# Altium PCB PreRegulator.PcbDoc (part 1 of 2)
Units mm, origin at the board's own origin, x right, y up, seen from the top; angles counter-clockwise.
Board outline 44 x 85 mm, 6 copper layers (L1, L2, L3, L4, L5, L6), stack 2.138 mm thick; 110 components, 62 nets, 301 pads, 342 vias.
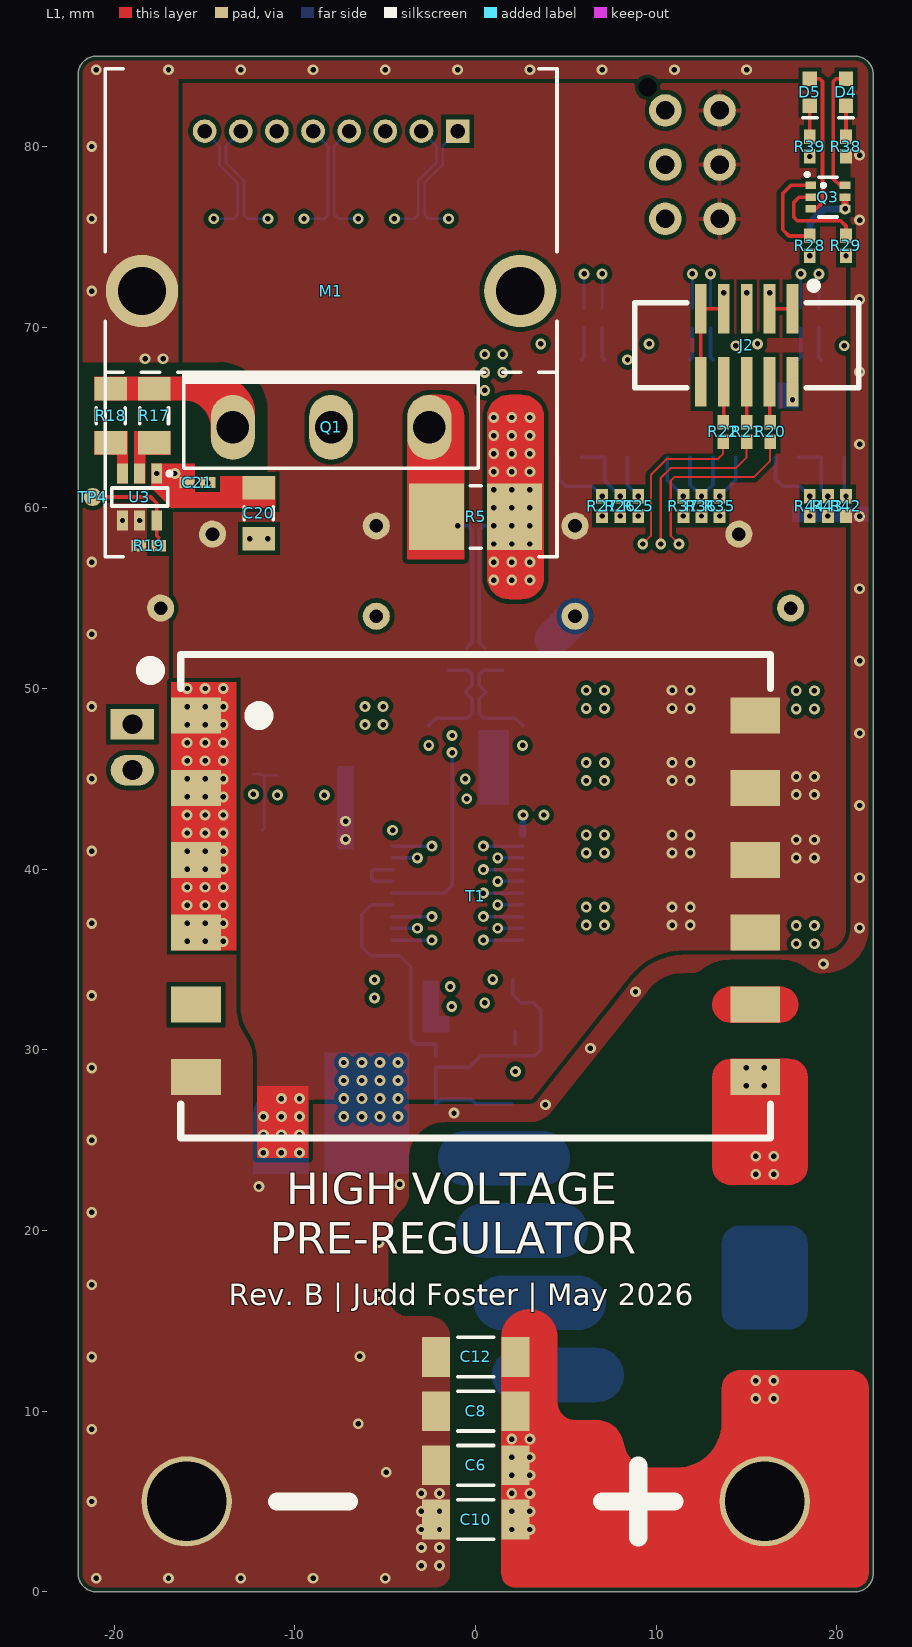
[diagram p0: L1 view]
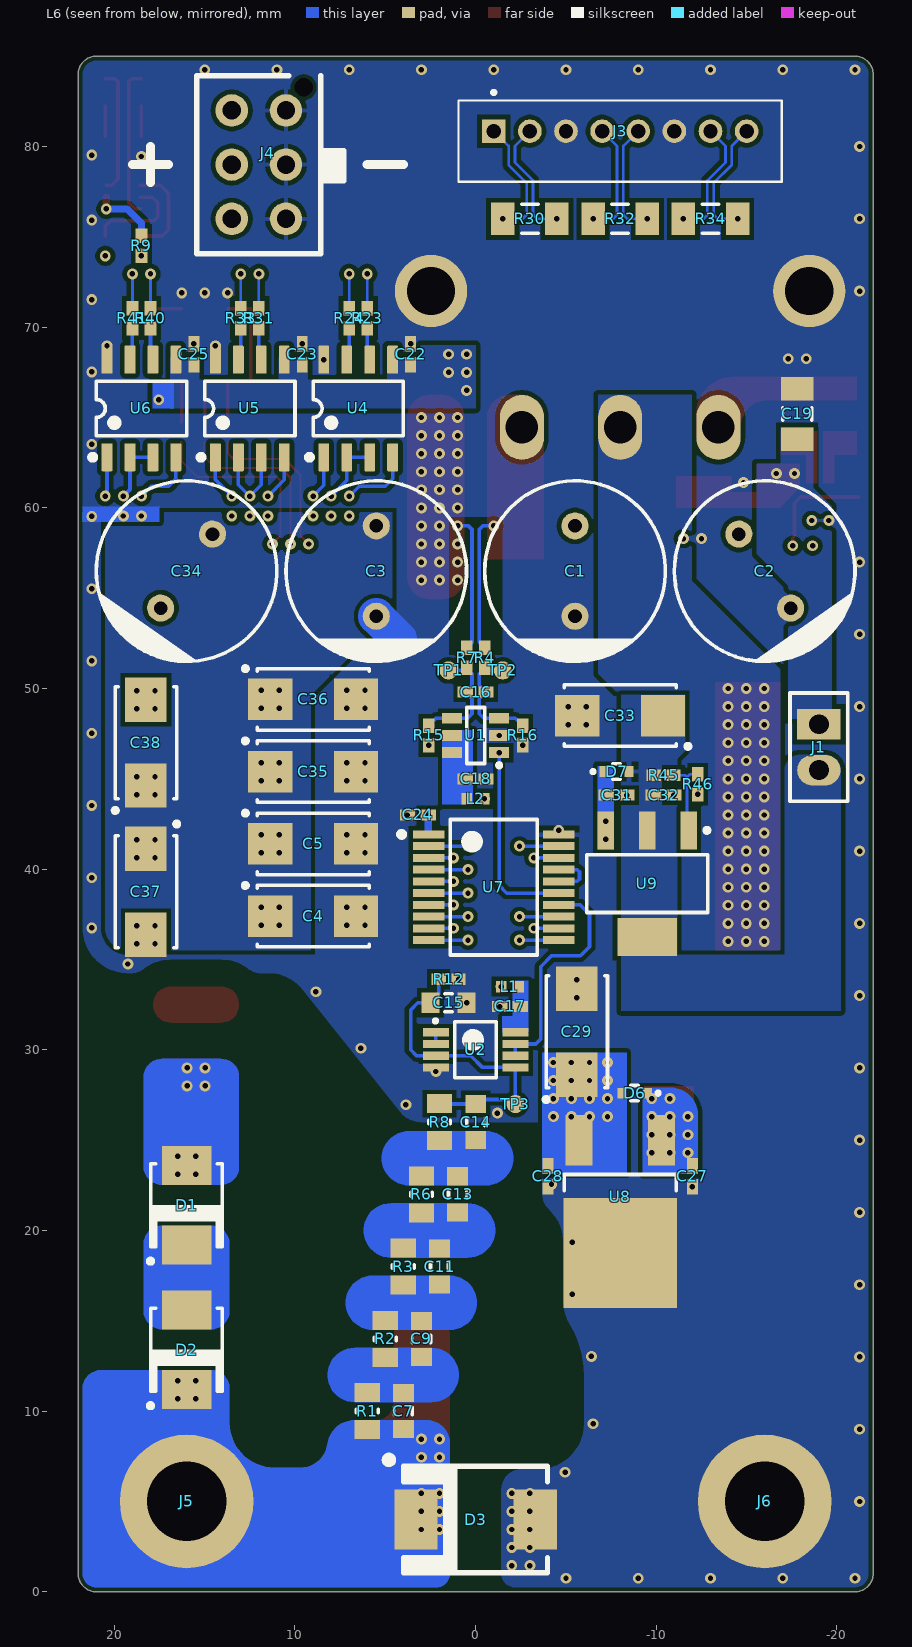
[diagram p1: L6 view, seen from below]
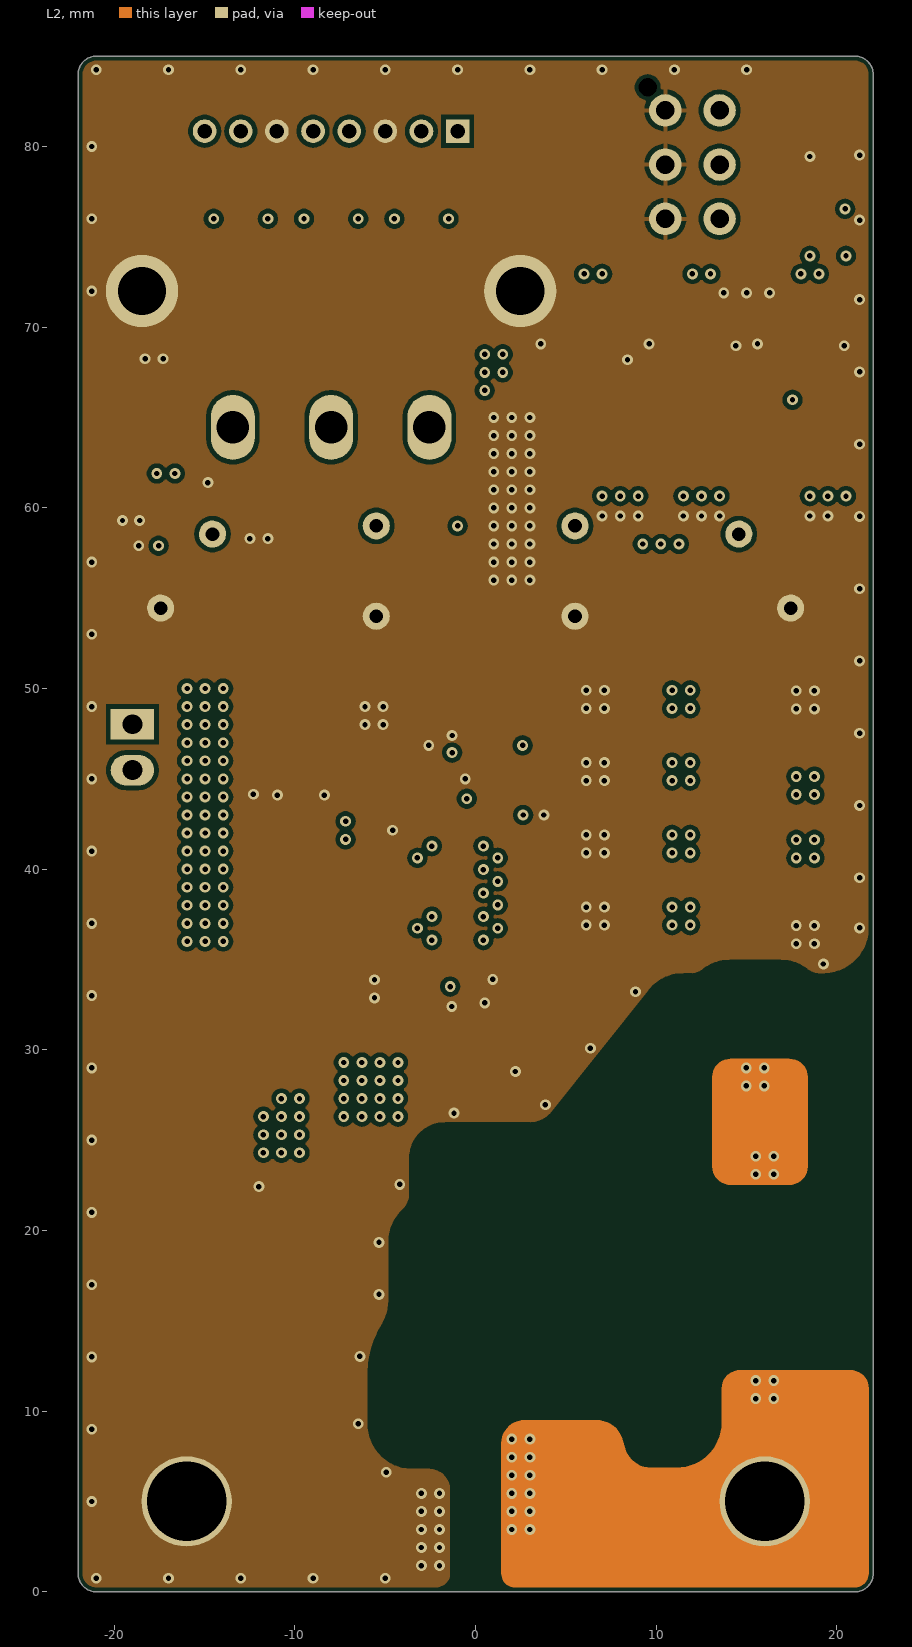
[diagram p2: L2]
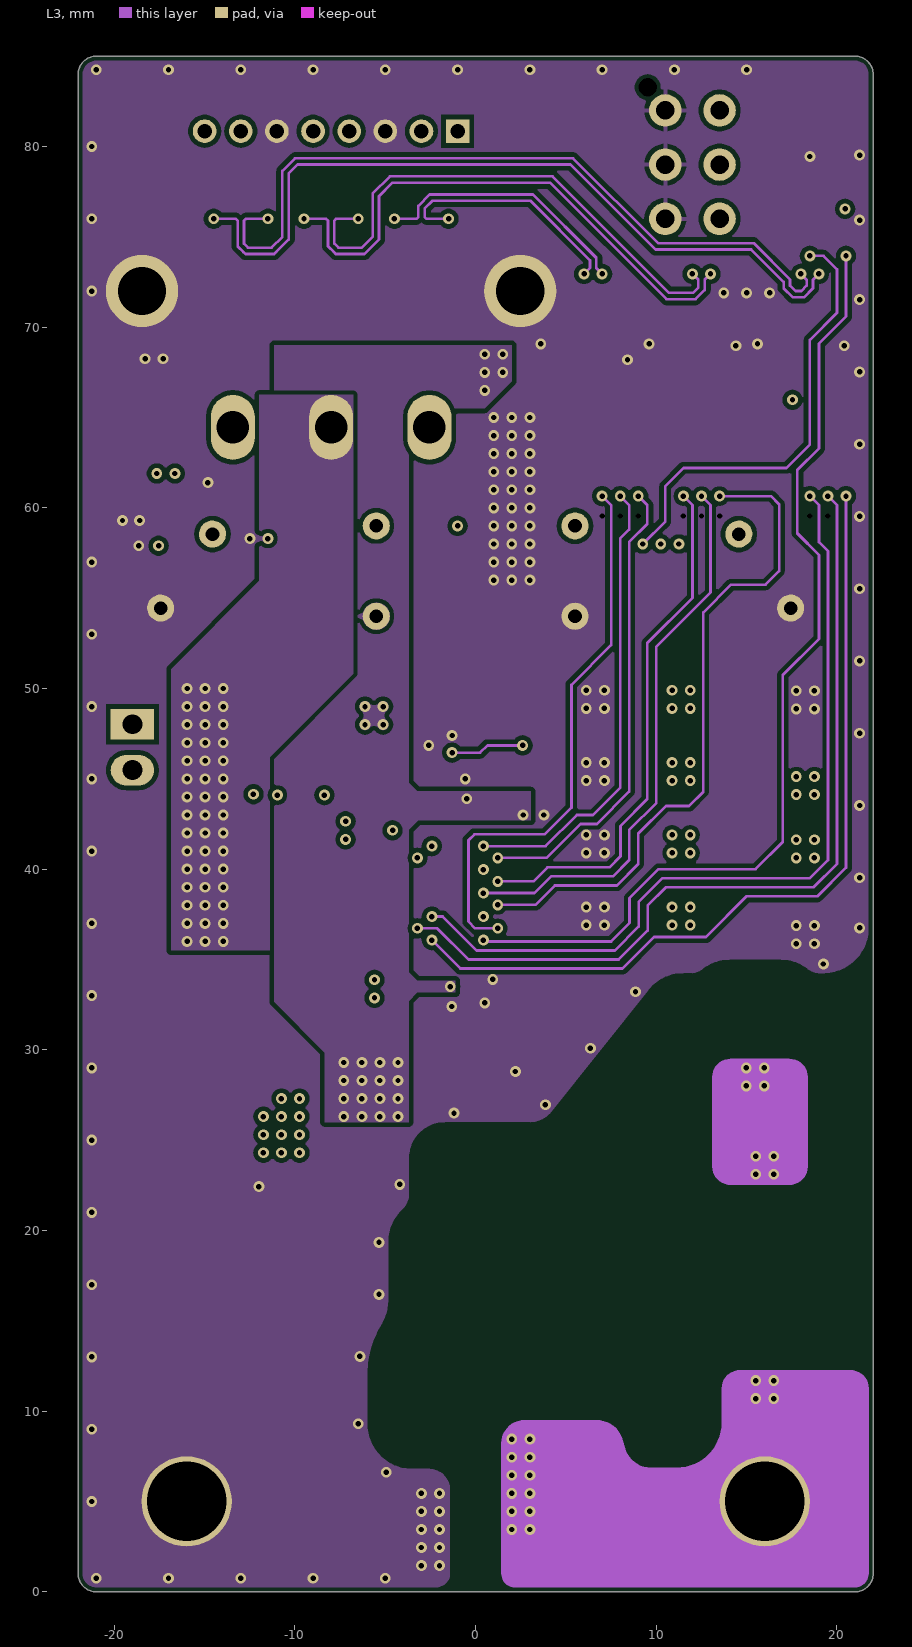
[diagram p3: L3]
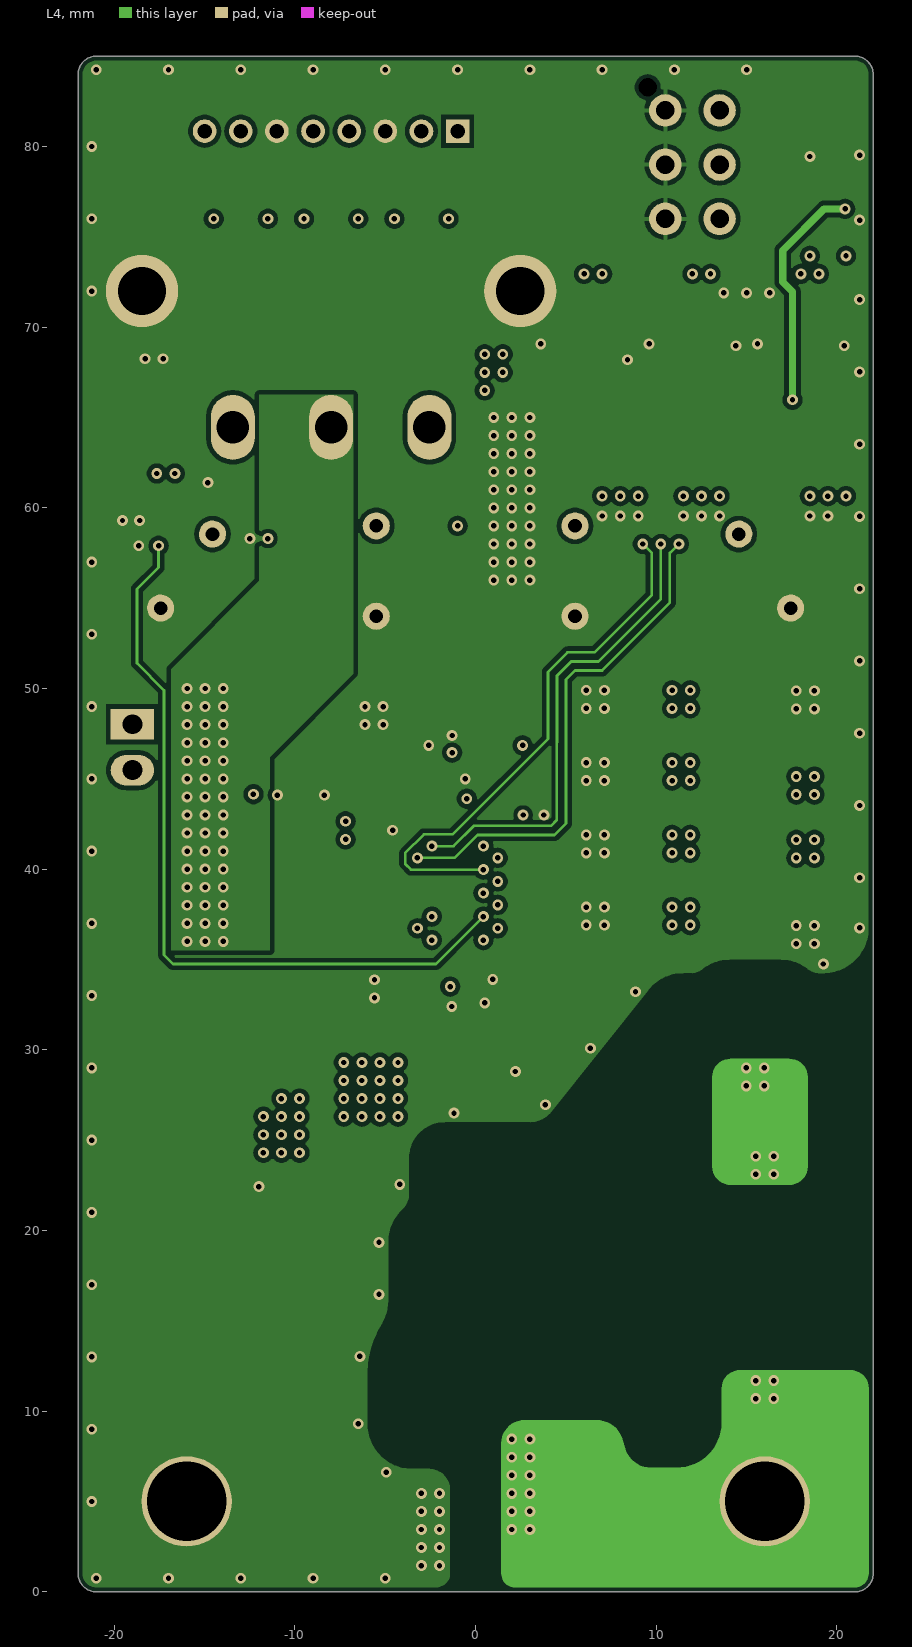
[diagram p4: L4]
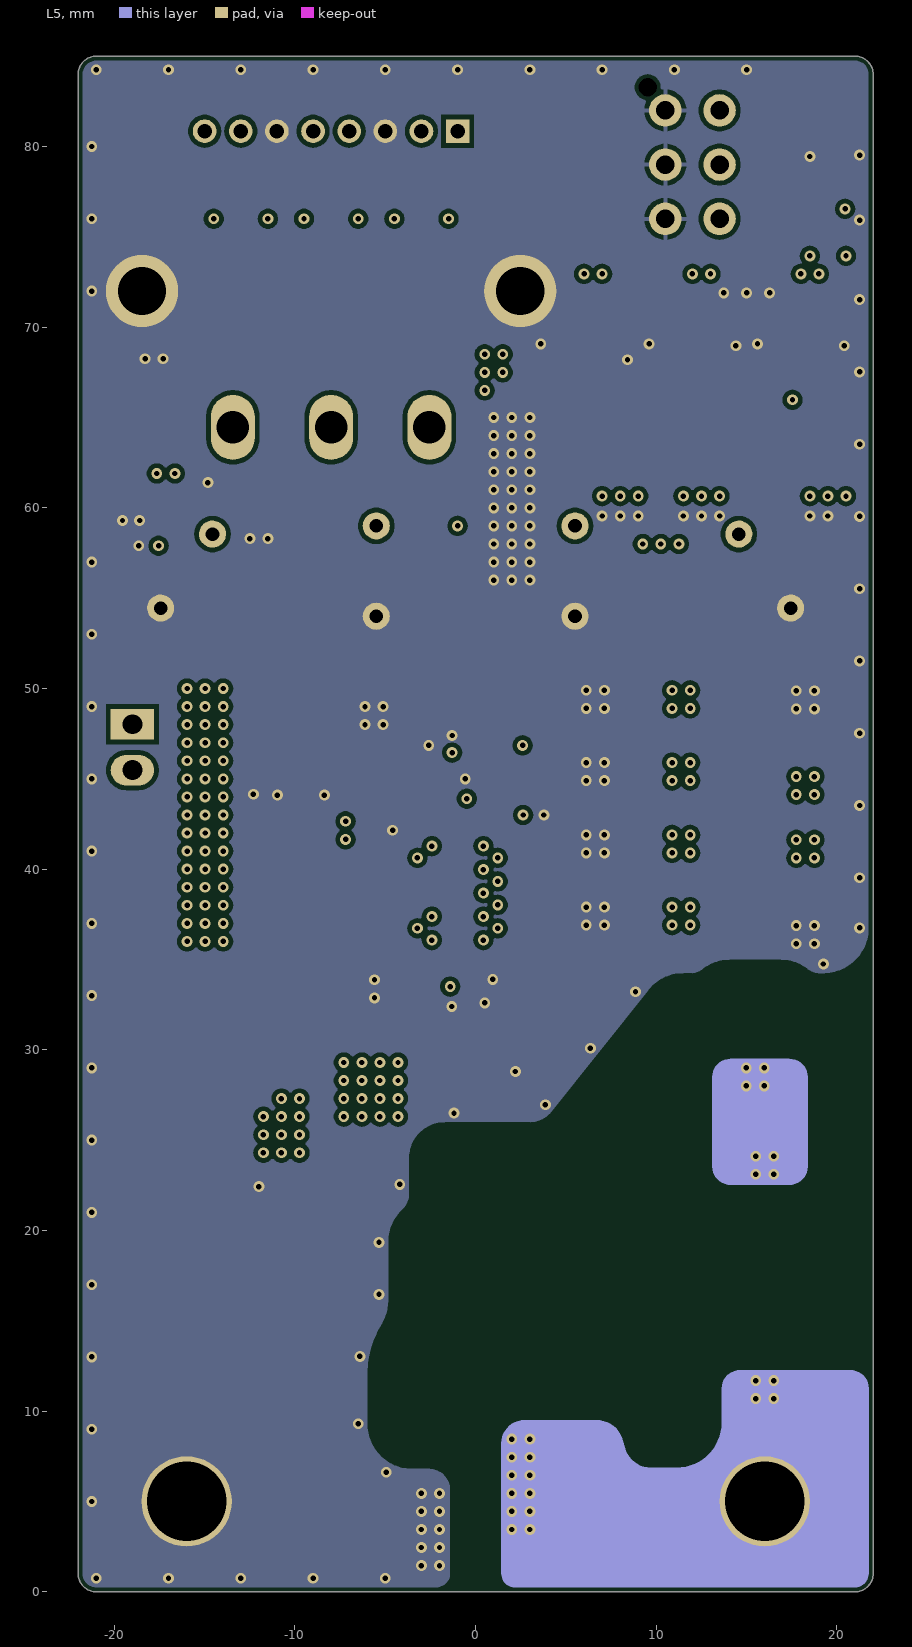
[diagram p5: L5]

## Layer stack, top to bottom
Top Solder: solder mask 0.0102, Solder Resist, Dk 3.5
L1: signal copper 0.0356
Dielectric 1: prepreg 0.0711, PP-006, Dk 4.1
L2: signal copper 0.035
Dielectric 2: prepreg 0.0711, PP-006, Dk 4.1
L3: signal copper 0.035
Dielectric 3: prepreg 0.0711, PP-006, Dk 4.1
Dielectric 4: dielectric 1.5, FR-4, Dk 4.8
Dielectric 5: prepreg 0.0711, PP-006, Dk 4.1
L4: signal copper 0.035
Dielectric 6: prepreg 0.0711, PP-006, Dk 4.1
L5: signal copper 0.035
Dielectric 7: prepreg 0.0711, PP-006, Dk 4.1
L6: signal copper 0.0356
Bottom Solder: solder mask 0.0102, Solder Resist, Dk 3.5

## Board outline
-22,1 ccw(c-21,1) -21,0 21,0 ccw(c21,1) 22,1 22,84 ccw(c21,84) 21,85 -21,85 ccw(c-21,84) -22,84

## Design rules (kind name [scope] priority, off if disabled: settings)
BoardOutlineClearance [All] p1: gap=0.25 ignorepadtopadclearanceinfootprint=FALSE except(0: Arc-SplitContinuation Track-SplitContinuation SMDPad-SplitContinuation THPad-SplitContinuation Via-SplitContinuation Fill-SplitContinuation Poly-SplitContinuation Region-SplitContinuation Text-SplitContinuation)
Clearance [All] p1: gap=0.2 ignorepadtopadclearanceinfootprint=FALSE except(0.25: Arc-Fill Arc-Poly Arc-Region Track-Fill Track-Poly Track-Region SMDPad-Fill SMDPad-Poly SMDPad-Region THPad-Fill THPad-Poly THPad-Region Via-Fill Via-Poly Via-Region Fill-Fill Fill-Poly Fill-Region Poly-Poly Poly-Region Region-Region)
DiffPairsRouting [All] p1: maxlimit=0.2 minlimit=0.2 mostfreqgap=0.2 toplayer_minwidth=0.15 toplayer_maxwidth=0.15 toplayer_prefwidth=0.15 midlayer1_minwidth=0.15 midlayer1_maxwidth=0.15 midlayer1_prefwidth=0.15 midlayer2_minwidth=0.15 midlayer2_maxwidth=0.15 midlayer2_prefwidth=0.15 midlayer3_minwidth=0.15 midlayer3_maxwidth=0.15 midlayer3_prefwidth=0.15 midlayer4_minwidth=0.15 midlayer4_maxwidth=0.15 midlayer4_prefwidth=0.15 bottomlayer_minwidth=0.15 bottomlayer_maxwidth=0.15 bottomlayer_prefwidth=0.15 maxuncoupledlength=12.7
Height [All] p1: minheight=0 maxheight=100 prefheight=12.7
HoleSize [All] p1: absolutevalues=TRUE maxlimit=10 minlimit=0.3 maxpercent=80.000 minpercent=20.000
MinimumSolderMaskSliver [All] p1: minsoldermaskwidth=0.051
PolygonConnect [All] p1: connectstyle=Direct reliefconductorwidth=0.254 reliefentries=4 polygonreliefangle="90 Angle" airgapwidth=0.254
RoutingVias [All] p1: holewidth=0.711 width=1.27 viastyle="Through Hole" minholewidth=0.711 minwidth=1.27 maxholewidth=0.711 maxwidth=1.27
SilkToSolderMaskClearance [IsPad] p1: minsilkscreentomaskgap=0.1 clearancetoexposedcopper=TRUE
SolderMaskExpansion SolderMaskExpansion_Via [IsVia] p1: expansion=0.051 istentingtop=TRUE
SolderMaskExpansion [All] p2: expansion=0.051 istentingtop=FALSE
Width [All] p1: maxlimit=2 minlimit=0.1 preferedwidth=0.2
25 further rules are at their usual default settings.

## Classes and differential pairs
component class Transformer: C1 C2 C3 C4 C5 C6 C7 C8 C9 C10 C11 C12 C13 C14 C15 C16 C17 C18 C34 C35 C36 C37 C38 D1 D2 D3 J5 J6 L1 L2 M1 Q1 R1 R2 R3 R4 R5 R6 R7 R8 R12 R15 R16 T1 TP1 TP2 TP3 U1 U2
component class Power: C27 C28 C29 C31 C32 C33 D6 D7 J4 R45 R46 U8 U9
component class "Gate Driver": C19 C20 C21 J1 R17 R18 R19 TP4 U3
component class Digital: C22 C23 C24 C25 D4 D5 J2 J3 Q3 R9 R20 R21 R22 R23 R24 R25 R26 R27 R28 R29 R30 R31 R32 R33 R34 R35 R36 R37 R38 R39 R40 R41 R42 R43 R44 U4 U5 U6 U7
differential pair D3: +D3_P -D3_N
differential pair D2: +D2_P -D2_N
differential pair D1: +D1_P -D1_N

## Components (designator, comment, footprint, x,y, rotation, side; value= is the part's Value field where it differs from the comment)
C1 "220u,20%,50V" CAPPR500W60D1000H1600B -5.5,56.5 r270 bottom value=220u
C2 "220u,20%,50V" CAPPR500W60D1000H1600B -16,56.5 r235 bottom value=220u
C3 "220u,20%,50V" CAPPR500W60D1000H1600B 5.5,56.5 r270 bottom value=220u
C4 "10uF,10%,35V,2312" KYOCERA_PKG_TAJC 9,37.4 r180 bottom
C5 "10uF,10%,35V,2312" KYOCERA_PKG_TAJC 9,41.4 r180 bottom
C6 "100nF,10%,630V,X7R,1808" KEMET_PKG_LC 0,7 r0 top value=100nF
C7 "Omit" CAPC_0805 4,10 r270 bottom
C8 "100nF,10%,630V,X7R,1808" KEMET_PKG_LC 0,10 r0 top value=100nF
C9 "Omit" CAPC_0805 3,14 r270 bottom
C10 "100nF,10%,630V,X7R,1808" KEMET_PKG_LC 0,4 r0 top value=100nF
C11 "Omit" CAPC_0805 2,18 r270 bottom
C12 "100nF,10%,630V,X7R,1808" KEMET_PKG_LC 0,13 r0 top value=100nF
C13 "Omit" CAPC_0805 1,22 r270 bottom
C14 "Omit" CAPC_0805 0,26 r270 bottom
C15 "Omit" CAPC_0805 1.5,32.6 r0 bottom
C16 "Omit,0402" CAPC1005X06N 0,49.8 r180 bottom value=Omit
C17 "100n,10%,25V,X7R,0402" CAPC1005X06N -1.9,32.4 r180 bottom value=100nF
C18 "100n,10%,25V,X7R,0402" CAPC1005X06N 0,45 r0 bottom value=100nF
C19 "10u,20%,50V,X5R,1206" CAPC3216X16N -17.8,65.2 r270 bottom value=10u
C20 "10u,20%,50V,X5R,1206" CAPC3216X16N -12,59.7 r90 top value=10u
C21 "100n,10%,25V,X7R,0402" CAPC1005X06N -15.4,61.4 r180 top value=100nF
C22 "100n,10%,25V,X7R,0402" CAPC1005X06N 3.6,68.5 r270 bottom value=100nF
C23 "100n,10%,25V,X7R,0402" CAPC1005X06N 9.6,68.5 r270 bottom value=100nF
C24 "100n,10%,25V,X7R,0402" CAPC1005X06N 3.2,43 r180 bottom value=100nF
C25 "100n,10%,25V,X7R,0402" CAPC1005X06N 15.6,68.5 r270 bottom value=100nF
C27 "100n,10%,25V,X7R,0402" CAPC1005X06N -12,23 r90 bottom value=100nF
C28 "100n,10%,25V,X7R,0402" CAPC1005X06N -4,23 r90 bottom value=100nF
C29 "10uF,10%,35V,2312" KYOCERA_PKG_TAJC -5.6,31 r90 bottom
C31 "100n,10%,25V,X7R,0402" CAPC1005X06N -7.8,44.1 r0 bottom value=100nF
C32 "100n,10%,25V,X7R,0402" CAPC1005X06N -10.4,44.1 r0 bottom value=100nF
C33 "10uF,10%,35V,2312" KYOCERA_PKG_TAJC -8,48.5 r0 bottom
C34 "220u,20%,50V" CAPPR500W60D1000H1600B 16,56.5 r305 bottom value=220u
C35 "10uF,10%,35V,2312" KYOCERA_PKG_TAJC 9,45.4 r180 bottom
C36 "10uF,10%,35V,2312" KYOCERA_PKG_TAJC 9,49.4 r180 bottom
C37 "10uF,10%,35V,2312" KYOCERA_PKG_TAJC 18.25,38.75 r270 bottom
C38 "10uF,10%,35V,2312" KYOCERA_PKG_TAJC 18.25,47 r90 bottom
D1 "MURS360BT3G" ONSEMI_SMB 16,21.4 r90 bottom
D2 "MURS360BT3G" ONSEMI_SMB 16,13.4 r90 bottom
D3 "1.5SMC550CA" LITTELFUSE_DO-214AB 0,4 r180 bottom
D4 "Red" LITE-ON_LTST-C190KRKT 20.5,83 r270 top
D5 "Green" LITE-ON_LTST-C190KGKT 18.5,83 r270 top
D6 "PMEG2010AEBF" NEXPERIA_PKG_SOD523 -8.8,27.6 r0 bottom
D7 "PMEG2010AEBF" NEXPERIA_PKG_SOD523 -7.8,45.4 r180 bottom
J1 "Term,Header,2 Pin,Top,2.54mm" WURTH_61300211121 -19,46.75 r270 bottom
J2 "3221-10-0300-00" "CNC Tech_3221-10-0300-00" 15,69 r270 top locked
J3 "B8B-PH-K-S" JST_B8B-PH-K-S -8,80.3 r0 bottom
J4 "2068320601" MOLEX_2068320601 12,79 r270 bottom
J5 "9774040360R" WURTH_9774040360R 16,5 r180 bottom locked
J6 "9774040360R" WURTH_9774040360R -16,5 r180 bottom locked
L1 "470R" INDC1005X05N -1.9,33.5 r0 bottom
L2 "470R" INDC1005X05N 0,43.9 r180 bottom
M1 "MECH,Heatsink,omniKlip,OMNI-UNI-27-25" WAKEFIELD_OMNI-UNI-27-25 -8,72 r0 top locked
Q1 "IRFP260MPBF" INFINEON_PKG_TO247AD -8,64.455 r0 top locked
Q3 "DMMT3906W-7-F" DIODES_SOT363 19.5,77.2 r0 top
R1 "442k,0.1%,0.125W,0805" RESC2012X07N 6,10 r270 bottom value=442k
R2 "442k,0.1%,0.125W,0805" RESC2012X07N 5,14 r270 bottom value=442k
R3 "442k,0.1%,0.125W,0805" RESC2012X07N 4,18 r270 bottom value=442k
R4 "499R,1%,0.063W,0402" RESC1005X04N -0.5,51.7 r270 bottom